# Altium PCB VAMoS Rev C.PcbDoc (part 1 of 2) (continued)
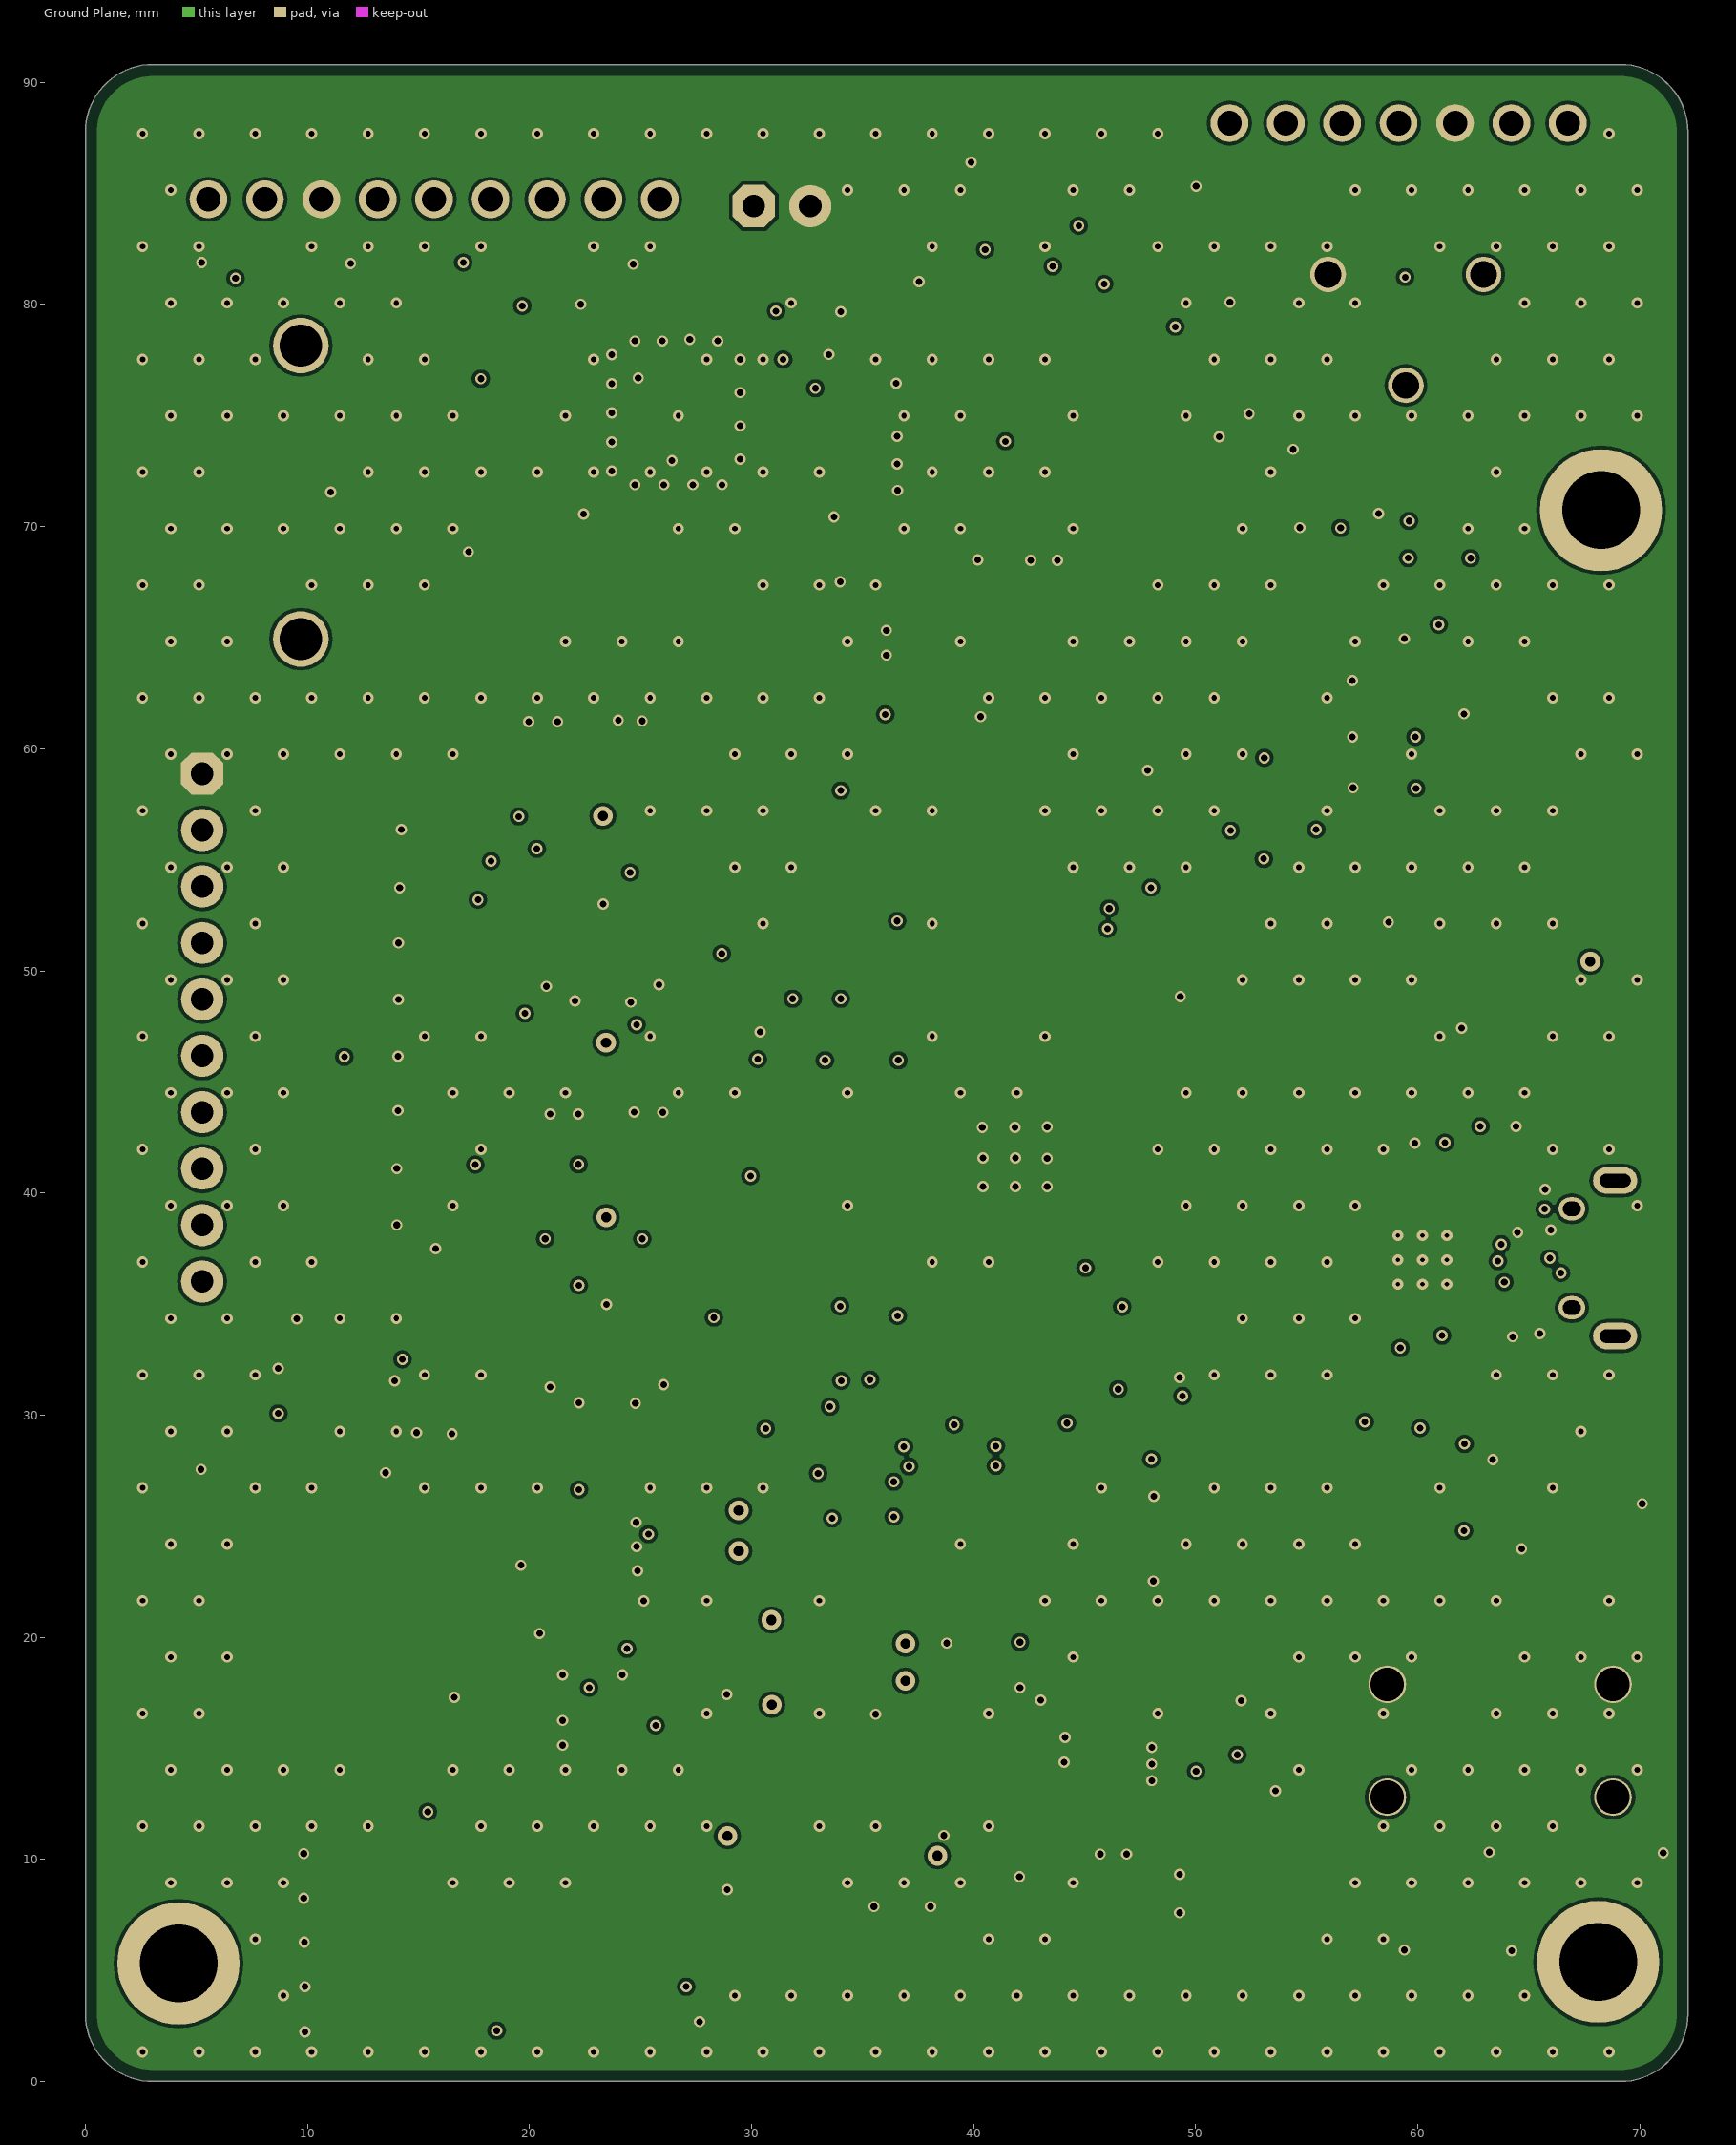
[diagram p3: Ground Plane]
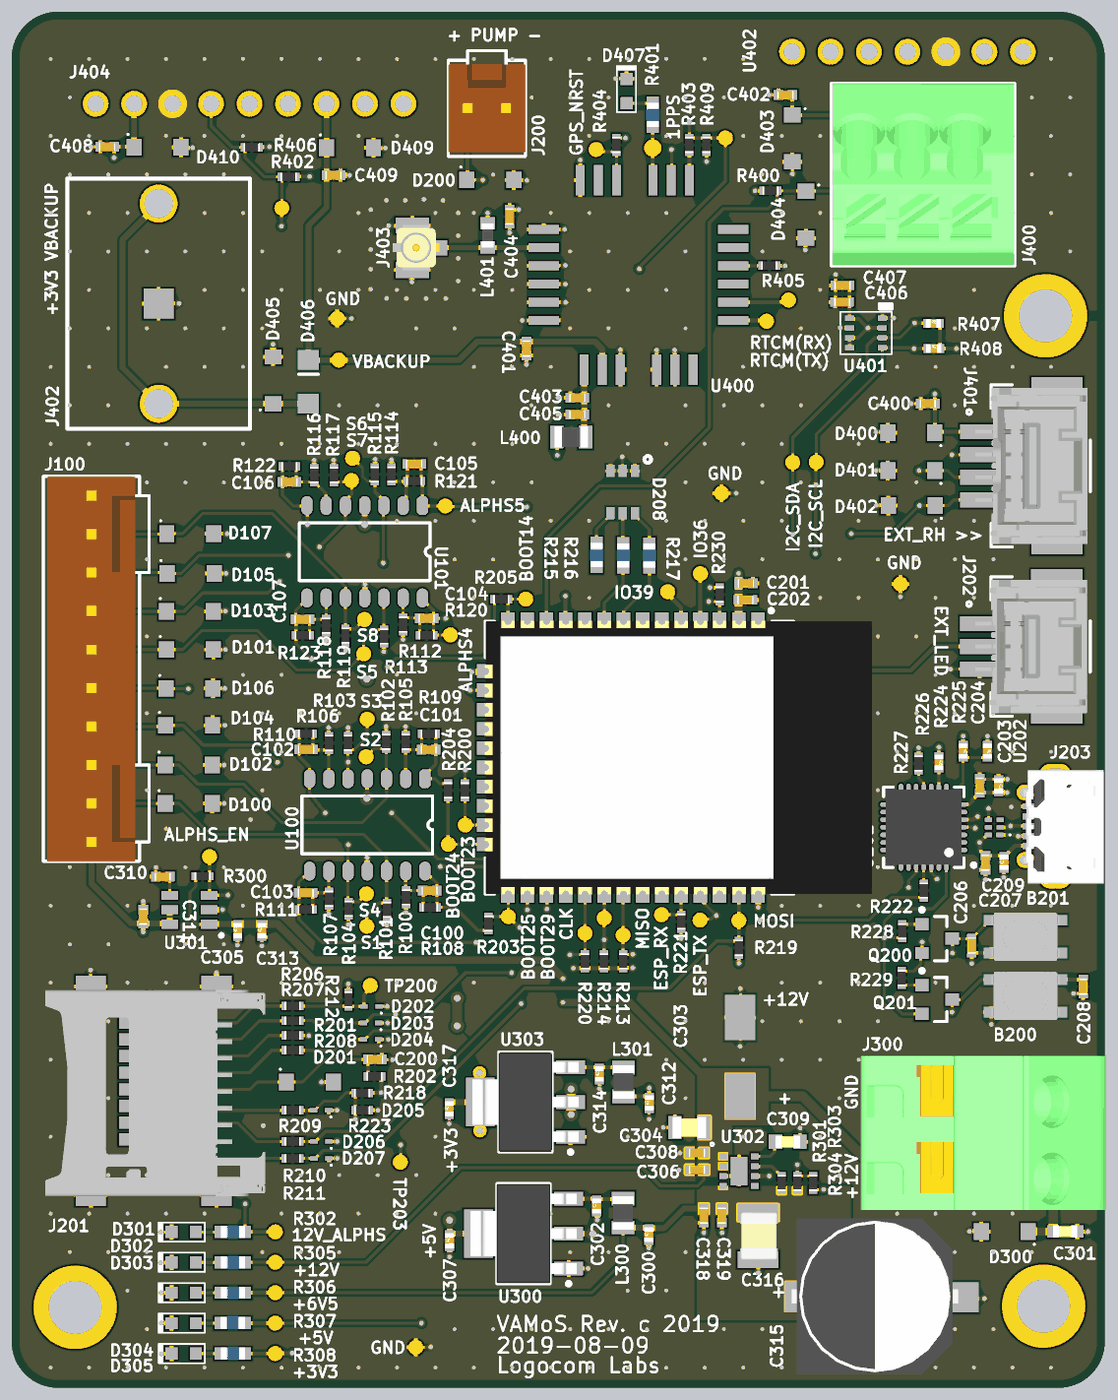
[diagram p5: 3D render of the assembled board from above, using the file's embedded part models]

## Layer stack, top to bottom
Top Solder: solder mask 0.0127, Solder Resist, Dk 3.5
Top Signal Layer: signal copper 0.0178
Dielectric 1: prepreg 0.2286, PP-006, Dk 4.2
Power Plane: signal copper 0.0356
Dielectric 3: core 0.9906, Core-009, Dk 4.2
Ground Plane: signal copper 0.0356
Dielectric 2: prepreg 0.2286, PP-006, Dk 4.2
Bottom Signal Layer: signal copper 0.0178
Bottom Solder: solder mask 0.0127, Solder Resist, Dk 3.5

## Board outline
0,3.048 0,87.757 cw(c3.048,87.757) 3.048,90.805 69.113,90.805 cw(c69.113,87.757) 72.161,87.757 72.161,3.048 cw(c69.113,3.048) 69.113,0 3.048,0 cw(c3.048,3.048)

## Design rules (kind name [scope] priority, off if disabled: settings)
BoardOutlineClearance [All] p1: gap=0.508 ignorepadtopadclearanceinfootprint=FALSE
Clearance [All] p1: gap=0.152 ignorepadtopadclearanceinfootprint=FALSE
ComponentClearance [All] p1: gap=0.25 collisioncheckmode=3 verticalgap=0.25 showdistances=FALSE
DiffPairsRouting [All] p1: maxlimit=10 minlimit=0.2 mostfreqgap=0.25 toplayer_minwidth=0.2 toplayer_maxwidth=10 toplayer_prefwidth=0.25 midlayer1_minwidth=0.2 midlayer1_maxwidth=10 midlayer1_prefwidth=0.25 midlayer2_minwidth=0.2 midlayer2_maxwidth=10 midlayer2_prefwidth=0.25 bottomlayer_minwidth=0.2 bottomlayer_maxwidth=10 bottomlayer_prefwidth=0.25 maxuncoupledlength=12.7
Height [All] p1: minheight=0 maxheight=100 prefheight=0
HoleSize [All] p1: absolutevalues=TRUE maxlimit=12 minlimit=0.2 maxpercent=80.000 minpercent=20.000
HoleToHoleClearance [All] p1: gap=0.25 allowstackedmicrovias=TRUE
MinimumSolderMaskSliver [All] p1: minsoldermaskwidth=0.05
PlaneClearance [All] p1: clearance=0.5
PlaneConnect [All] p1: planeconnectstyle=Relief reliefexpansion=0.25 reliefentries=4 reliefconductorwidth=0.25 reliefairgap=0.25
PolygonConnect PolygonConnect_3 [All vs IsNamedPolygon('Top Signal Layer-GND')] p1: connectstyle=Direct reliefconductorwidth=0.254 reliefentries=4 polygonreliefangle="90 Angle" airgapwidth=0.254
PolygonConnect PolygonConnect_2 [All vs IsNamedPolygon('+6V5_L01_P026')] p2: connectstyle=Direct reliefconductorwidth=0.254 reliefentries=4 polygonreliefangle="90 Angle" airgapwidth=0.254
PolygonConnect PolygonConnect_1 [All vs IsNamedPolygon('+12V_L01_P018')] p3: connectstyle=Direct reliefconductorwidth=0.254 reliefentries=4 polygonreliefangle="90 Angle" airgapwidth=0.254
PolygonConnect [All] p4: thpad.connectstyle=Direct thpad.reliefconductorwidth=0.25 thpad.reliefentries=4 thpad.polygonreliefangle="90 Angle" thpad.airgapwidth=0.15 smdpad.connectstyle=Relief smdpad.reliefconductorwidth=0.254 smdpad.reliefentries=4 smdpad.polygonreliefangle="90 Angle" smdpad.airgapwidth=0.15 via.connectstyle=Direct via.reliefconductorwidth=0.25 via.reliefentries=4 via.polygonreliefangle="90 Angle" via.airgapwidth=0.15
RoutingCorners [All] p1: cornerstyle=45-Degree minsetback=2.5 maxsetback=2.5
RoutingVias [All] p1: holewidth=0.305 width=0.508 viastyle="Through Hole" minholewidth=0.305 minwidth=0.508 maxholewidth=1 maxwidth=1.5
SilkToSilkClearance [All] p1: silktosilkclearance=0.025
SilkToSolderMaskClearance [IsPad] p1: minsilkscreentomaskgap=0.051 clearancetoexposedcopper=TRUE
SolderMaskExpansion [All] p1: expansion=0.1
Width [All] p1: maxlimit=1.27 minlimit=0.152 preferedwidth=0.203
19 further rules are at their usual default settings.

## Classes and differential pairs
component class ESP32-WROOM-32U: B200 B201 C200 C201 C202 C203 C204 C206 C207 C208 C209 D200 D201 D202 D203 D204 D205 D206 D207 D208 J200 J201 J202 J203 Q200 Q201 R200 R201 R202 R203 R204 R205 R206 R207 R208 R209 R210 R211 R212 R213 R214 R215 R216 R217 R218 R219 R220 R221 R222 R223 R224 R225 R226 R227 R228 R229 R230 TP200 TP201 TP202 TP203 TP204 TP205 TP206 TP207 TP208 TP209 TP210 TP211 TP212 TP213 TP214 TP215 U200 U201 U202

## Components (designator, comment, footprint, x,y, rotation, side; value= is the part's Value field where it differs from the comment)
B200 "Button C&K PTS815 SJG 250 SMTR LFS" "PTS 815" 66.929,25.857 r0 top
B201 "Button C&K PTS815 SJG 250 SMTR LFS" "PTS 815" 66.929,29.769 r0 top
C100 "4.7uF" CAPC1005X06N 27.596,32.807 r0 top value=100nF
C101 "4.7uF" CAPC1005X06N 27.534,42.113 r0 top value=100nF
C102 "4.7uF" CAPC1005X06N 19.442,42.124 r180 top value=100nF
C103 "4.7uF" CAPC1005X06N 19.413,32.669 r180 top value=100nF
C104 "4.7uF" CAPC1005X06N 27.394,50.777 r0 top value=100nF
C105 "4.7uF" CAPC1005X06N 26.568,60.96 r0 top value=100nF
C106 "4.7uF" CAPC1005X06N 18.331,59.78 r180 top value=100nF
C107 "4.7uF" CAPC1005X06N 19.204,50.705 r180 top value=100nF
C200 "4.7uF" CAPC1005X06N 23.978,21.666 r0 top value=100nF
C201 "CAP: GENERAL" CAPC1005X06N 48.463,53.086 r180 top value=10u
C202 "4.7uF" CAPC1005X06N 48.438,51.994 r0 top value=100nF
C203 "4.7uF" C1005[0402] 65.151,39.726 r270 top
C204 "4.7uF" CAPC1005X06N 63.906,39.727 r90 top value=100nF
C206 "4.7uF" CAPC1005X06N 63.373,29.182 r270 top value=100nF
C207 "4.7uF" C1005[0402] 65.507,34.671 r90 top
C208 "4.7uF" CAPC1005X06N 70.739,26.467 r270 top value=100nF
C209 "4.7uF" CAPC1005X06N 64.287,34.646 r270 top value=100nF
C300 "4.7uF" C1005[0402] 42.062,10.109 r90 top value=4u7
C301 "1uF" "C1608[0603] small" 69.545,10.312 r180 top
C302 "4.7uF" C1005[0402] 38.612,11.995 r90 top value=4u7
C303 "22uF" "Radial Can F61 6.6x6.6" 48.082,21.742 r0 top
C304 "22uF" C2012[0805] 44.729,17.17 r0 top
C305 "4.7uF" C1005[0402] 14.91,30.177 r90 top value=4u7
C306 "4.7uF" CAPC1005X06N 45.244,14.386 r180 top value=100nF
C307 "4.7uF" C1005[0402] 28.909,9.709 r90 top value=4u7
C308 "4.7uF" CAPC1005X06N 45.237,15.494 r180 top value=15nF
C309 "3.3nF" C1608[0603] 51.232,16.231 r180 top
C310 "4.7uF" CAPC1005X06N 9.979,33.731 r180 top value=DNP
C311 "4.7uF" CAPC1005X06N 8.687,31.09 r90 top value=100nF
C312 "4.7uF" C1005[0402] 42.088,18.798 r90 top value=4u7
C313 "4.7uF" C1005[0402] 16.51,30.175 r90 top
C314 "4.7uF" C1005[0402] 38.79,20.707 r90 top value=4u7
C315 "100uF 50V Hybrid Polymer Bulk Smoothing" "Radial Can Size G" 57.429,5.994 r270 top
C316 "4.7uF" C3225[1210]_Tall 49.276,10.013 r270 top value=100uF
C317 "4.7uF" C1005[0402] 28.88,18.415 r90 top value=4u7
C318 "4.7uF" CAPC1005X06N 45.695,11.359 r270 top value=100nF
C319 "4.7uF" CAPC1005X06N 46.879,11.359 r270 top value=15nF
C400 "4.7uF" CAPC1005X06N 60.477,64.948 r0 top value=1u
C401 "4.7uF" CAPC1005X06N 33.985,68.577 r90 top value=1u
C402 "4.7uF" CAPC1005X06N 51.079,85.319 r0 top value=1u
C403 "4.7uF" CAPC1005X06N 37.338,65.329 r0 top value=1u
C404 "4.7uF" CAPC1005X06N 32.868,77.292 r90 top value=1u
C405 "4.7uF" CAPC1005X06N 37.338,64.237 r0 top value=100nF
C406 "4.7uF" CAPC1005X06N 54.823,71.652 r0 top value=100nF
C407 "4.7uF" CAPC1005X06N 54.846,72.75 r0 top value=100nF
C408 "4.7uF" CAPC1005X06N 6.299,81.89 r0 top value=100nF
C409 "4.7uF" CAPC1005X06N 21.241,80.019 r180 top value=100nF
D100 "5V TVS" "NXP PTVSxS1UR-Series (SOD123W)" 11.684,38.557 r0 top
D101 "5V TVS" "NXP PTVSxS1UR-Series (SOD123W)" 11.76,48.717 r0 top
D102 "5V TVS" "NXP PTVSxS1UR-Series (SOD123W)" 11.684,41.097 r0 top
D103 "5V TVS" "NXP PTVSxS1UR-Series (SOD123W)" 11.76,51.232 r0 top
D104 "5V TVS" "NXP PTVSxS1UR-Series (SOD123W)" 11.709,43.713 r0 top
D105 "5V TVS" "NXP PTVSxS1UR-Series (SOD123W)" 11.811,53.746 r0 top
D106 "5V TVS" "NXP PTVSxS1UR-Series (SOD123W)" 11.735,46.152 r0 top
D107 "5V TVS" "NXP PTVSxS1UR-Series (SOD123W)" 11.786,56.363 r0 top
D200 "3.3V TVS" "NXP PTVSxS1UR-Series (SOD123W)" 31.598,79.705 r0 top
D201 "3.3V TVS" "NXP PTVSxS1UR-Series (SOD123W)" 19.685,20.168 r0 top
D202 "ESD7951ST5GOSCT-ND" SODFL100X40-2N 23.749,25.171 r180 top
D203 "ESD7951ST5GOSCT-ND" SODFL100X40-2N 23.724,24.079 r180 top
D204 "ESD7951ST5GOSCT-ND" SODFL100X40-2N 23.724,22.987 r180 top
D205 "ESD7951ST5GOSCT-ND" SODFL100X40-2N 20.422,18.313 r180 top
D206 "ESD7951ST5GOSCT-ND" SODFL100X40-2N 20.447,16.256 r180 top
D207 "ESD7951ST5GOSCT-ND" SODFL100X40-2N 20.447,15.138 r180 top
D208 "VLMRGB6112" VLMRGB6112 40.335,59.106 r90 top
D300 "12V TVS" "NXP PTVSxS1UR-Series (SOD123W)" 65.557,10.312 r180 top
D301 "LED Green" LED_0603 11.354,10.281 r180 top
D302 "LED Green" LED_0603 11.354,8.276 r180 top
D303 "LED Green" LED_0603 11.354,6.271 r180 top
D304 "LED Green" LED_0603 11.354,4.266 r180 top
D305 "LED Green" LED_0603 11.354,2.261 r180 top
D400 "3.3V TVS" "NXP PTVSxS1UR-Series (SOD123W)" 59.385,63.017 r180 top
D401 "3.3V TVS" "NXP PTVSxS1UR-Series (SOD123W)" 59.393,60.528 r180 top
D402 "3.3V TVS" "NXP PTVSxS1UR-Series (SOD123W)" 59.419,58.217 r180 top
D403 "3.3V TVS" "NXP PTVSxS1UR-Series (SOD123W)" 51.537,82.448 r270 top
D404 "3.3V TVS" "NXP PTVSxS1UR-Series (SOD123W)" 52.426,77.419 r270 top
D405 "3.3V TVS" "NXP PTVSxS1UR-Series (SOD123W)" 17.251,66.481 r90 top
D406 "1N4148W-FDICT-ND" SOD-123FL_TVS 19.587,66.379 r90 top
D407 "LED Green" LED_0603 40.589,85.573 r90 top
D409 "3.3V TVS" "NXP PTVSxS1UR-Series (SOD123W)" 22.331,81.822 r0 top
D410 "3.3V TVS" "NXP PTVSxS1UR-Series (SOD123W)" 9.627,81.864 r0 top
J100 "Analog Inputs" 6410/10pin 5.258,58.877 r270 top
J200 "PWM To Pump" 6410/2pin 30.099,84.43 r0 top
J201 "472192001" SD-47219-001 7.823,19.693 r270 top
J202 "5025840370" 502584-0370 66.446,48.92 r90 top
J203 "UJ2-MIBH2-4" UJ2-MIBH2-4-SMT 67.335,35.759 r180 top
J300 "1790283" "5.08MM 2POS TERMBLOCK" 63.703,15.342 r270 top
J400 "1985205" "3POS PHOENIX" 59.461,81.356 r180 top
J401 "502584-0470" 502584-0470 66.455,60.838 r90 top
J402 "Keystone 2997" "2997 11.6MM COIN CELL" 9.701,71.542 r90 top
J403 "uFL Connector" CONUFL001-SMD-T 26.695,75.235 r90 top
J404 "PPPC091LFBN-RC" "0.100\" 9PIN" 15.701,84.732 r180 top
L300 "MH2029" L2012[0805] 40.361,11.532 r90 top
L301 "MH2029" L2012[0805] 40.39,20.177 r90 top
L400 "MH2029" L2012[0805] 36.932,62.738 r0 top
L401 "33nH" L1608[0603] 31.42,76.048 r90 top
Q200 "SS8050-G" ONSC-SOT-23-3-318-08_V 61.087,29.642 r0 top
Q201 "SS8050-G" ONSC-SOT-23-3-318-08_V 61.087,25.621 r0 top
R100 "1K0" RESC1005X03N 26.039,32.369 r90 top value=1k
R101 "4R99" RESC1005X03N 24.769,31.538 r90 top
R102 "4R99" RESC1005X03N 24.719,42.629 r270 top
R103 "4R99" RESC1005X03N 22.204,42.554 r270 top
R104 "4R99" RESC1005X03N 22.229,31.614 r90 top
R105 "1K0" RESC1005X03N 26.01,42.621 r270 top value=1k
R106 "1K0" RESC1005X03N 20.93,42.545 r270 top value=1k
R107 "1K0" RESC1005X03N 20.946,32.274 r90 top value=1k
R108 "22K" RESC1005X03N 27.614,31.708 r0 top
R109 "22K" RESC1005X03N 27.534,43.155 r0 top
R110 "22K" RESC1005X03N 19.435,43.164 r180 top
R111 "22K" RESC1005X03N 19.413,31.557 r180 top
R112 "1K0" RESC1005X03N 25.842,50.37 r90 top value=1k
R113 "4R99" RESC1005X03N 24.572,49.583 r90 top
R114 "1K0" RESC1005X03N 25.07,60.274 r270 top value=1k
R115 "4R99" RESC1005X03N 23.978,60.274 r270 top
R116 "1K0" RESC1005X03N 19.974,60.225 r270 top value=1k
R117 "4R99" RESC1005X03N 21.27,60.225 r270 top
R118 "1K0" RESC1005X03N 20.762,50.294 r90 top value=1k
R119 "4R99" RESC1005X03N 22.032,49.634 r90 top
R120 "22K" RESC1005X03N 27.394,49.661 r0 top
R121 "22K" RESC1005X03N 26.568,59.842 r0 top
R122 "22K" RESC1005X03N 18.331,60.81 r180 top
R123 "22K" RESC1005X03N 19.212,49.659 r180 top
R200 "RES: GENERAL" RESC1005X03N 29.921,39.421 r90 top value=0R
R201 "RES: GENERAL" RESC1005X03N 18.542,23.249 r0 top value=0R
R202 "RES: GENERAL" RESC1005X03N 23.945,20.549 r180 top value=0R
R203 "RES: GENERAL" RESC1005X03N 31.471,30.632 r270 top value=0R
R204 "RES: GENERAL" RESC1005X03N 28.804,39.421 r90 top value=0R
R205 "RES: GENERAL" RESC1005X03N 32.316,52.045 r180 top value=0R
R206 "RES: GENERAL" RESC1005X03N 18.542,25.197 r180 top value=0R
R207 "RES: GENERAL" RESC1005X03N 18.542,24.223 r180 top value=0R
R208 "RES: GENERAL" RESC1005X03N 18.542,22.276 r180 top value=0R
R209 "RES: GENERAL" RESC1005X03N 18.542,18.313 r180 top value=0R
R210 "RES: GENERAL" RESC1005X03N 18.542,16.256 r180 top value=0R
R211 "RES: GENERAL" RESC1005X03N 18.542,15.138 r180 top value=0R
R212 "10K" RESC1005X03N 22.225,25.621 r90 top value=DNP
R213 "10K" RESC1005X03N 40.361,28.143 r270 top value=DNP
R214 "10K" RESC1005X03N 39.091,28.143 r270 top value=DNP
R215 "1K0" "R1608[0603] small" 38.608,54.958 r90 top
R216 "3K16" "R1608[0603] small" 40.361,54.932 r90 top
R217 "4K53" "R1608[0603] small" 42.088,54.92 r90 top
R218 "10K" RESC1005X03N 23.132,19.456 r0 top value=DNP
R219 "10K" RESC1005X03N 48.006,29.032 r270 top value=DNP
R220 "10K" RESC1005X03N 37.846,28.143 r270 top value=DNP
R221 "RES: GENERAL" RESC1005X03N 44.196,30.759 r90 top value=0R
R222 "RES: GENERAL" RESC1005X03N 60.205,32.806 r270 top value=0R
R223 "RES: GENERAL" RESC1005X03N 23.139,18.313 r0 top value=0R
R224 "22k1" R1005[0402] 62.81,42.012 r270 top
R225 "47k5" R1005[0402] 64.414,42.012 r270 top
R226 "10K" R1005[0402] 61.21,41.275 r270 top value=2k
R227 "RES: GENERAL" RESC1005X03N 59.868,41.199 r90 top value=DNP
R228 "RES: GENERAL" RESC1005X03N 58.801,30.124 r270 top value=10k
R229 "RES: GENERAL" RESC1005X03N 58.75,27.044 r90 top value=10k
R230 "RES: GENERAL" RESC1005X03N 46.736,52.349 r270 top value=10k
R300 "RES: GENERAL" RESC1005X03N 12.598,33.757 r180 top value=10k
R301 "100K" RESC1005X03N 50.825,13.513 r270 top value=100k
R302 "1.2K" "R1608[0603] small" 14.605,10.281 r0 top
R303 "71K5" RESC1005X03N 51.867,13.513 r270 top
R304 "10K" RESC1005X03N 52.908,13.52 r90 top value=10k
R305 "1.2K" "R1608[0603] small" 14.605,8.28 r0 top
R306 "560" "R1608[0603] small" 14.605,6.274 r0 top
R307 "560" "R1608[0603] small" 14.592,4.267 r0 top
R308 "330" "R1608[0603] small" 14.605,2.261 r0 top value=330R
R400 "RES: GENERAL" RESC1005X03N 50.089,78.994 r180 top value=10k
R401 "330" "R1608[0603] small" 42.316,83.998 r270 top value=330R
R402 "10K" RESC1005X03N 18.281,79.908 r0 top value=470R
R403 "10K" RESC1005X03N 44.729,82.017 r270 top value=470R
R404 "10K" RESC1005X03N 39.929,82.017 r90 top
R405 "10K" RESC1005X03N 50.013,74.041 r180 top
R406 "10K" RESC1005X03N 15.842,81.864 r0 top
R407 "10K" R1005[0402] 60.845,70.229 r0 top value=2K
R408 "10K" R1005[0402] 60.871,68.581 r0 top value=2K
R409 "10K" RESC1005X03N 45.872,82.017 r270 top
TP100 "PAD" TP_SMD_39MIL 23.444,30.455 r0 top
TP101 "PAD" TP_SMD_39MIL 23.397,41.64 r0 top
TP102 "PAD" TP_SMD_39MIL 23.423,32.597 r0 top
TP103 "PAD" TP_SMD_39MIL 23.47,44.12 r0 top
TP104 "PAD" TP_SMD_39MIL 23.241,48.438 r0 top
TP105 "PAD" TP_SMD_39MIL 22.428,59.868 r0 top
TP106 "PAD" TP_SMD_39MIL 23.292,50.698 r0 top
TP107 "PAD" TP_SMD_39MIL 22.504,61.341 r0 top
TP200 "PAD" TP_SMD_39MIL 23.673,26.543 r90 top
TP201 "PAD" TP_SMD_39MIL 40.361,29.87 r90 top
TP202 "PAD" TP_SMD_39MIL 39.116,30.988 r90 top
TP203 "PAD" TP_SMD_39MIL 25.654,14.884 r0 top
TP204 "PAD" TP_SMD_39MIL 48.006,30.836 r90 top
TP205 "PAD" TP_SMD_39MIL 37.846,29.997 r90 top
TP206 "PAD" TP_SMD_39MIL 28.626,58.191 r90 top
TP207 "PAD" TP_SMD_39MIL 28.956,49.682 r90 top
TP208 "PAD" TP_SMD_39MIL 45.466,53.721 r90 top
TP209 "PAD" TP_SMD_39MIL 43.307,52.527 r90 top
TP210 "PAD" TP_SMD_39MIL 32.791,31.09 r90 top
TP211 "PAD" TP_SMD_39MIL 28.829,35.865 r90 top
TP212 "PAD" TP_SMD_39MIL 29.947,37.135 r90 top
TP213 "PAD" TP_SMD_39MIL 33.934,52.045 r180 top
TP214 "PAD" TP_SMD_39MIL 42.901,31.217 r90 top
TP215 "PAD" TP_SMD_39MIL 45.441,30.861 r90 top
TP300 "PAD" TP_SMD_39MIL 26.67,2.667 r90 top
TP301 "PAD" TP_SMD_39MIL 21.488,70.561 r180 top
TP302 "PAD" TP_SMD_39MIL 46.863,59.03 r180 top
TP303 "PAD" TP_SMD_39MIL 58.674,53.035 r90 top
TP304 "PAD" TP_SMD_39MIL 13.056,35.052 r90 top
TP305 "PAD" TP_SMD_39MIL 17.399,4.267 r270 top
TP306 "PAD" TP_SMD_39MIL 17.399,8.28 r180 top
TP307 "PAD" TP_SMD_39MIL 17.399,10.287 r90 top
TP308 "PAD" TP_SMD_39MIL 17.399,6.274 r180 top
TP309 "PAD" TP_SMD_39MIL 17.399,2.261 r270 top
TP400 "PAD" TP_SMD_39MIL 21.59,67.818 r90 top
TP401 "PAD" TP_SMD_39MIL 51.283,71.78 r90 top
TP402 "PAD" TP_SMD_39MIL 49.835,70.383 r90 top
TP403 "PAD" TP_SMD_39MIL 38.583,81.712 r90 top
TP404 "PAD" TP_SMD_45MIL 42.316,81.813 r90 top
TP405 "PAD" TP_SMD_39MIL 17.831,77.851 r90 top
TP406 "PAD" TP_SMD_39MIL 47.117,82.474 r90 top
TP407 "PAD" TP_SMD_39MIL 53.111,61.087 r90 top
TP408 "PAD" TP_SMD_39MIL 51.562,61.062 r90 top
U100 "LM660" SOIC-14 23.347,37.143 r270 top
U101 "LM660" SOIC-14 23.175,55.171 r270 top
U200 "ESP-WROOM-32U" OLMX-ESP-WROOM-32 40.49,41.58 r270 top
U201 "CP2102N-A01-GQFN28R" QFN50P500X500X80_HS-29N 60.205,36.988 r180 top
U202 "TPD4S012DRYR" DRY0006A 64.872,36.982 r180 top
U300 "ZLDO1117G50TA" SOT230P700X165-4N 33.786,10.169 r180 top
U301 "TPS22810DBVR" SOT23 11.735,31.547 r180 top
U302 "TPS82140" SIL0008D 48.015,14.29 r0 top
U303 "ZLDO1117QG33TA" SOT230P700X165-4N 33.913,18.856 r180 top
U400 "XA1100" XA1100 41.381,73.44 r0 top
U401 "BME280" BME280 56.394,69.609 r0 top
U402 "PPPC071LFBN-RC" "0.100\" 7PIN" 59.131,88.163 r180 top
